# KiCad board spudglo_driver_v5p0.kicad_pcb (continued)
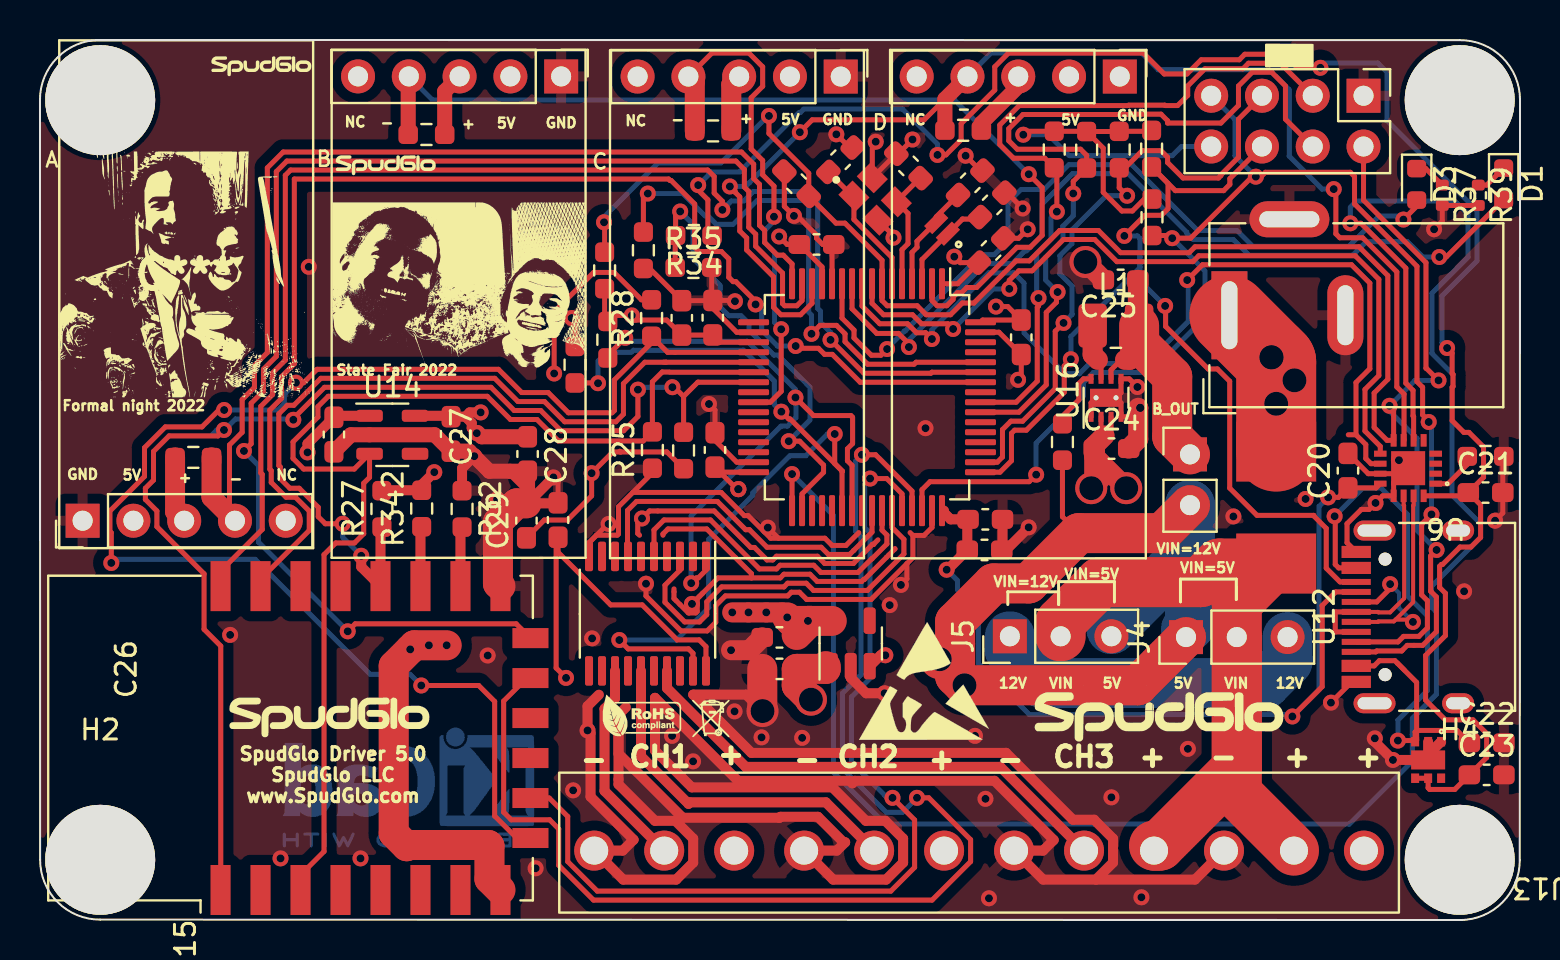
[diagram p0: board, top side]
## Routing (per net, layer and track width the routed paths; a pad name or vN(x,y) marks a point on that pad's centre or on a via; arc(x,y) is an arc through that point) (continued)
GND1: length 324.4
  Top w0.25: 27.46,18.19 27.46,18.88 ; 27.46,18.88 28.4,19.81 v2(28.44,19.81) ; 27.46,18.88 27.84,19.25 28.87,19.25 28.94,19.31 28.94,20.67 29.65,21.39 ; C4.2 48.36,36.38 v2(49.15,35.59) 49.22,35.52 ; v2(69.73,34.55) 70.14,34.96 R37.2 R39.2 ; C10.2 34.72,30.99 v2(34.76,30.95) ; C10.2 33.64,30.98 C14.2 30.49,32.59 R13.2 ; C10.2 33.65,30.6 34.85,29.4 U10.18 ; C10.2 33.6,31.05 R35.2 ; v2(48.92,27.02) 49.08,27.18 C11.2 47.97,29.4 U10.63 ; 43.66,19.24 43.52,19.38 ; 43.66,19.24 43.66,18.13 43.36,17.83 ; 43.66,19.24 44.22,19.24 44.62,19.64 U10.47 ; U10.31 34.85,22.9 33.76,23.99 C12.2 33.76,25.51 v2(33.46,25.81) ; 31.16,19.25 31.16,19.31 31.41,19.56 33.35,19.56 35.59,17.33 35.59,17.11 ; 47.14,37.49 47.04,37.49 v2(46.3,38.23) ; R17.2 26.76,29.94 v2(26.59,30.11) ; 31.71,16.56 31.71,16.08 32.43,15.36 32.8,15.36 32.87,15.44 32.87,16.07 33.15,16.35 ; 29.65,21.39 30.63,22.37 R25.1 ; 29.65,21.39 34.07,21.39 35.23,20.23 35.42,20.23 36.55,19.1 36.94,19.1 ; U12.A12 65.38,18.87 65.38,19.82 66.09,20.54 66.48,20.54 v2(66.8,20.86) 67.16,21.22 U6.13 67.71,21.88 U6.EPAD 68.16,22.33 U6.11 66.44,22.33 C20.2 ; 35.59,17.11 37.02,17.11 37.21,17.3 38.51,17.3 38.87,16.94 41.1,16.94 41.2,17.04 41.23,17.04 42.76,18.56 42.76,18.58 ; 35.59,17.11 33.91,17.11 33.15,16.35 ; U10.12 39.62,33.71 C13.2 39.15,33.79 38.84,34.1 38.84,34.26 37.88,35.22 v2(37.71,35.22) 37.23,35.7 C8.2 ; 43.36,17.83 41.57,16.04 38.35,16.04 37.99,16.4 37.58,16.4 37.4,16.21 34.28,16.21 33.8,15.73 33.8,14.89 33.37,14.46 32.06,14.46 30.31,16.21 v2(30.31,16.82) ; 43.36,17.83 43.36,17.06 v2(43.06,16.76) ; v2(39.83,39.3) 40.49,38.64 C3.2 ; v2(42.69,34.13) 42.69,34.23 U8.2 ; v2(64.57,10.87) 65.61,11.91 U12.A1 ; 40.95,19.38 40.31,18.74 39.62,18.74 39.26,19.1 36.94,19.1 ; C9.2 48.95,34.1 v2(49.4,34.55) ; v2(43.64,39.04) 42.93,38.33 C7.2 U8.4 41.63,38.76 v2(41.8,38.93) ; 41.91,19.02 41.69,18.79 41.64,18.79 ; 29.99,19.25 29.9,19.34 29.9,19.87 v2(30.11,20.09) 30.49,20.46 33.72,20.46 35.55,18.64 35.74,18.64 36.36,18.01 36.65,18.01 36.84,18.2 38.89,18.2 39.25,17.84 40.69,17.84 41.64,18.79 ; 33.15,16.35 v2(32.61,15.81) 32.55,15.75 32.49,15.75 ; 41.64,18.79 41.71,18.79 ; 36.94,19.1 v2(36.41,19.63) ; v2(55.03,25.62) 54.58,25.17 U16.4 54.07,25.87 U16.9 54.07,26.37 U16.5 54.48,27.07 v2(54.89,26.66) 54.93,26.66 ; v2(72.78,19.97) 73.17,20.36 C21.2 73.17,23.14 R10.2 ; U16.1 52.57,25.87 U16.9 ; 25.91,20.87 25.91,21.91 v2(25.68,22.14)
  Top w0.5: 52.82,2.02 53.67,2.87 53.67,4.07 52.73,5.02 51.67,5.02 48.32,8.36 35.59,8.36 32.67,11.27 35.32,11.27 v1(36.14,10.45) ; 52.82,2.02 57.77,2.02 J3.3 ; 52.82,2.02 50.17,2.02 J3.6 50.17,3.47 50.7,4 47.74,6.96 40.76,6.96 40.64,6.84 40.51,6.96 34.91,6.96 30.76,11.11 30.76,8.48 32.6,6.64 39.64,6.64 41.31,4.96 42.28,4.96 43.17,4.07 43.17,2.87 42.32,2.02 39.67,2.02 J3.9 39.86,3.47 40.27,3.89 40.19,3.89 38.91,5.16 37.04,5.16 36.99,5.11 32.15,5.11 28.94,8.32 28.94,10.27 ; v2(49.45,19.64) 48.32,18.51 C17.2 48.14,18.55 C16.2 ; v2(22.87,21.05) 24.12,21.05 C29.2 ; C29.2 24.33,21.63 23.51,22.45 ; C29.2 24.38,20.84 v2(25.68,22.14) ; C29.2 25.88,20.84 25.91,20.87 ; 28.94,10.27 28.94,6.79 30.76,4.96 31.78,4.96 32.67,4.07 32.67,2.87 31.82,2.02 29.17,2.02 J3.12 29.15,3.47 29.69,4.01 27.54,6.17 27.54,9.33 v2(27.39,9.48) 27.39,10.7 27.95,11.27 ; 28.94,10.27 29.31,10.64 ; U13.EPAD 69.43,8.91 ; U13.EPAD 69.43,8.27 70.07,8.91 70.08,8.91 ; U13.EPAD v2(67.67,8.01) 66.77,8.91 v2(66.77,9.09) ; v2(21.72,23.2) 21.11,22.59 R32.1 ; U11.2 40.55,12.12 41.32,11.34 v2(42.25,11.34)
  Top w0.75: C29.2 24.39,20.9 C28.2 22.48,22.45 v2(21.72,23.2) 21.47,23.45 C27.2 19.74,24.27 U14.2 15.55,24.27 C26.2
  Top w1: v1(52.29,32.92) 52.3,32.92 C25.2 ; C18.2 35.48,13.5 v2(34.57,13.5) ; 54.93,25.62 54.93,24.06 C24.2
  Top w1.5: C29.2 23.84,20.84 22.91,19.91 22.91,16.83 U15.15 ; C15.2 36.13,10.47 v1(36.14,10.45)
  GND.Cu w0.25: 67.93,37.87 67.89,37.92 67.89,40.16 66.47,41.57
  vias: v2(9.51,14.26) v2(12.03,3.08) v2(13.45,32.67) v2(16.03,3.08) v2(22.39,13.23) v2(24.79,2.59) v2(26.67,6.49) v2(27.62,14.09) v2(31.62,9.21) v2(32.67,7.94) v2(34.74,10.44) v2(36.09,9.14) v2(38.12,9.11) v2(42.5,15.75) v2(44.29,24.6) v2(46.77,9.21) v2(47.29,6.06) v2(47.47,1.09) v2(53.59,6.14) v2(55.09,1.14) v2(57.42,8.56) v2(59.69,20.19) v2(63.3,21.06) v2(67.97,23) v2(71.23,16.44)
VBUS: length 94.2
  Top w0.25: v2(44.89,38.27) 45.32,38.27 46.07,39.03 46.07,39.83 47.76,41.52 47.76,42.68 48.44,43.37 55.19,43.37 56.23,42.32 57.37,42.32 58.08,43.03 59.98,43.03 60.26,43.31 62.22,43.31 62.9,42.63 v2(64.04,42.63) ; v2(32.92,36.76) 32.92,36.51 33.41,36.03 33.41,34.45 R34.1 ; v2(70.38,28.61) 70.63,28.36 70.63,27.34 70.68,27.29 70.68,26.69 70.63,26.65 70.63,24.98 71.22,24.39 71.48,24.39 72.2,23.66 72.2,22.14 C21.1 ; U6.16 71.28,21.22 C21.1 ; C21.1 72.06,20.77 72.06,19.14 71.57,18.66 71.03,18.66 70.16,17.79 70.1,17.79 70.01,17.7 70.01,16.64 70.3,16.35 70.3,14.23 69.31,13.24 69.31,11 70.3,10.01 71.68,10.01 72.36,9.33 72.36,8.12 C23.1 70.77,6.53 69.51,6.53 69.43,6.61 U13.5 U13.4
  Bottom w0.25: v2(70.38,28.61) 70.13,28.87 70.13,31.22 71.88,32.97 71.88,35.49 67.38,40 67.38,42.41 66.91,42.87 64.28,42.87 v2(64.04,42.63) ; 44.89,38.25 v2(44.89,38.27) 44.89,38.82 43.14,40.57 38.21,40.57 38.03,40.39 37.97,40.39 34.99,37.42 33.58,37.42 v2(32.92,36.76)
VBUS_PRESENT: length 23
  Top w0.25: v2(37.45,23.95) 38,23.95 39.19,22.76 39.19,22.39 38.12,21.32 U10.34 ; v2(32.02,35.44) 31.79,35.21 R34.2 31.77,34.22 R35.1
  Bottom w0.25: v2(37.45,23.95) 38.51,25.01 38.51,26.65 36.9,28.26 36.7,28.26 35.47,29.49 35.47,29.82 35.07,30.23 34.46,30.23 34.02,30.67 34.02,31.74 32.66,33.1 32.66,34.8 v2(32.02,35.44)
VIN: length 48
  Top w2.5: 55.72,3.72 56.01,3.72 59.86,7.58 J4.2 ; J4.2 59.86,15.86 F1.2 58.98,17.83 58.05,16.9 53.05,16.9 51.05,14.9 J5.2 ; J4.2 59.86,6.33 J3.2
  PWR.Cu w2.5: J5.2 51.05,11.02 ; J4.2 59.86,11.09 59.61,10.84
/spudglo_v5p0_micro/BOOT0: length 27.6
  Top w0.25: R13.1 30.18,36.12 v2(30.4,36.34) ; v2(38.59,29.32) 39.01,29.74 39.84,29.74 40.27,29.32 40.27,28.93 41.4,27.8 43.72,27.8 43.82,27.9 U10.60
  Bottom w0.25: v2(30.4,36.34) 32.15,36.34 33.27,35.22 33.41,35.22 33.83,34.8 34.67,34.8 35.86,35.99 38.36,35.99 38.45,35.9 38.45,30.4 38.59,30.26 v2(38.59,29.32)
/spudglo_v5p0_micro/GREEN_LED: length 43.2
  Top w0.25: v2(69.99,33.17) 70.34,33.17 D1.2 ; 43.46,28.49 v2(43.46,28.66) 43.46,28.68 43.53,28.75 42.94,29.34 41.85,29.34 40.62,30.58 U10.10
  Bottom w0.25: v2(43.46,28.66) 43.46,29.01 47.28,32.83 48.62,32.83 49.26,33.47 49.35,33.47 50.13,34.25 50.13,35.81 51.65,37.34 54.43,37.34 57.36,34.41 57.36,34.36 57.68,34.04 59.69,34.04 60.47,33.25 65.66,33.25 66.34,33.93 68.4,33.93 69.17,33.17 v2(69.99,33.17)
/spudglo_v5p0_micro/JTDI: length 31
  Top w0.25: U10.50 47.88,22.9 48.14,23.16 48.14,24.53 48.56,24.95 49.15,24.95 50.78,26.58 50.78,29.45 v2(51.2,29.87) 51.21,29.88 ; v2(54.38,36.23) 53.98,36.63 R20.2 54.27,37.63 55.13,38.48 56.07,38.48 56.4,38.16 56.4,37.89 57.17,37.12 58.95,37.12 59.07,37.24 59.07,37.27 59.95,38.15 59.95,40.06 J1.5
  Bottom w0.25: v2(54.38,36.23) 53.32,36.23 51.61,34.52 51.61,33.83 51.01,33.23 51.01,32.33 51.62,31.71 51.62,30.29 v2(51.2,29.87)
/spudglo_v5p0_micro/JTDO: length 41.4
  Top w0.25: U10.55 48.96,25.4 50.33,26.77 50.33,30.39 50.84,30.9 50.84,31.36 v2(50.9,31.41) ; v2(51.68,36.34) 51.68,36.95 R21.2 52.35,38.25 52.05,38.56 48.88,38.56 48.46,38.98 48.46,39.58 49.17,40.29 54.62,40.29 54.64,40.31 56.07,40.31 56.4,39.98 56.4,39.87 59.07,39.87 59.95,40.75 59.95,41.72 60.63,42.41 61.61,42.41 62.3,41.72 62.3,40.06 J1.4
  Bottom w0.25: v2(50.9,31.41) 50.3,32.01 50.3,33.15 51.16,34.01 51.16,34.71 51.68,35.23 v2(51.68,36.34) 51.63,36.39 51.63,36.4
/spudglo_v5p0_micro/LVL_DIR: length 32.8
  Top w0.25: v2(37.79,26.14) 38.69,25.23 40.56,25.23 40.65,25.15 40.65,23.83 40.39,23.57 40.39,22.97 40.62,22.74 U10.39 ; v2(29.27,29.12) 28.4,28.25 R14.2 ; v2(32.57,16.85) 32.83,17.11 32.93,17.11 33.31,17.5 33.31,18.19
  Bottom w0.25: v2(32.57,16.85) 32.57,20.22 37.06,24.7 37.38,24.7 37.81,25.13 37.81,26.12 v2(37.79,26.14) 37.79,26.54 35.38,28.95 29.44,28.95 v2(29.27,29.12)
/spudglo_v5p0_micro/LVL_EN: length 43.9
  Top w0.25: 40.14,22.45 40.12,22.43 U10.38 ; 40.14,22.45 37.52,25.06 37.45,25.06 v2(37.08,25.43) ; 40.14,22.45 39.75,22.83 v2(39.75,24.31) ; R17.1 27.9,26.87 v2(27.91,26.85) ; v2(28.98,14.01) 29.42,13.56 32.44,13.56 32.66,13.34 U9.19
  Bottom w0.25: v2(27.91,26.85) 27.91,27.96 28.35,28.4 29.57,28.4 29.68,28.5 35.19,28.5 36.73,26.96 36.73,25.78 v2(37.08,25.43) ; v2(39.75,24.31) 39.39,24.31 38.31,23.23 37.51,23.23 35.66,21.37 35.66,21.25 33.45,19.05 33.45,15.63 31.83,14.01 v2(28.98,14.01)
/spudglo_v5p0_micro/NJTRST: length 36.6
  Top w0.25: J1.3 62.04,42.86 60.45,42.86 60.17,42.58 58.27,42.58 57.41,41.72 57.41,41.25 56.9,40.74 56.28,40.74 56.26,40.76 54.45,40.76 54.44,40.74 48.98,40.74 48.01,39.77 48.01,38.8 48.7,38.11 50.26,38.11 50.73,37.63 R22.2 50.86,37.5 v2(50.86,35.43) ; v2(49.95,31.11) 49.95,30.72 49.88,30.65 49.88,26.96 48.83,25.9 U10.56
  Bottom w0.25: v2(49.95,31.11) 49.85,31.21 49.85,33.34 50.58,34.07 50.58,35.15 v2(50.86,35.43)
/spudglo_v5p0_micro/OSC32K_HI: length 5
  Top w0.25: 47.02,35.16 46.92,35.06 46.14,35.06 U7.1 44.12,33.04 U10.3
/spudglo_v5p0_micro/OSC32K_LO: length 5.4
  Top w0.25: C5.1 44.83,35.17 U7.2 43.87,33.95 43.87,33.65 43.62,33.4 U10.4
/spudglo_v5p0_micro/OSC48_HI: length 6.2
  Top w0.25: C7.1 44.02,37.11 U8.3 43.42,35.35 43.42,33.83 43.12,33.53 U10.5
/spudglo_v5p0_micro/OSC48_LO: length 7
  Top w0.25: C3.1 40.64,36.21 U8.1 40.71,35.05 42.62,33.14 U10.6
/spudglo_v5p0_micro/RED_LED: length 39.6
  Top w0.25: U10.11 40.12,30.11 40.72,29.51 40.72,29.12 41.58,28.25 42.06,28.25 v2(42.37,28.56) 42.39,28.54 ; D3.2 68.86,35.7 v2(68.2,35.04)
  Bottom w0.25: v2(68.2,35.04) 68.01,35.22 66.99,35.22 65.47,33.7 60.66,33.7 59.88,34.49 57.91,34.49 54.61,37.79 51.47,37.79 50.22,36.54 49.08,36.54 48.43,35.89 48.43,34.09 48.48,34.03 47.73,33.28 47.09,33.28 43.28,29.46 43.24,29.46 42.37,28.6 v2(42.37,28.56)
ESP8266_3V3: length 49.2
  Top w0.25: v2(25.72,27.34) 25.72,30.42 27.69,32.39 28.71,32.39 30.08,31.02 R28.2 ; 29.04,23.41 28.65,23.41 v2(27.59,22.35) 27.59,21.22 26.38,20.01 25.22,20.01 C29.1 ; 29.04,23.41 29,23.45 ; 29.04,23.41 31.36,23.41 R26.2
  Top w0.5: v2(21.85,24.35) 21.6,24.61 21.6,24.86 21.28,25.18 ; U14.5 20.52,25.22 C27.1 21.28,25.18 ; 21.28,25.18 21.49,25.39 v2(22.04,25.39) ; v2(19.72,22.4) 19.09,21.77 R342.2 17.12,21.5 R27.2
  Top w0.75: 21.88,24.39 22.09,24.17 C28.1
  Top w1.5: v2(20.34,13.74) 18.72,13.74 v2(18.52,13.54) 17.69,12.71 17.69,4.34 18.34,3.69 18.4,3.75 22.43,3.75 22.48,3.7 22.48,2.05 U15.8
  vias: v2(19.45,13.74)
ESP8266_CSN: length 72.9
  Top w0.25: v2(3.57,17.86) 3.57,19.37 3.5,19.44 3.5,20.46 5.23,22.19 5.23,23.62 6.27,24.67 8.1,24.67 8.95,25.51 v2(9.21,25.51) ; v2(12.8,26.88) 13.19,26.88 13.86,27.55 22.93,27.55 24.09,26.39 25.42,26.39 26.43,25.37 28.62,25.37 28.73,25.49 28.73,27.02 30.59,28.88 R28.1 31.4,28.39 35.68,28.39 U10.20 ; v2(19.07,11.73) 21.94,11.73 22.74,10.93 22.74,5.21 23.85,4.1 U15.9
  Bottom w0.25: v2(12.8,26.88) 12.22,26.3 12.22,25.82 11.91,25.51 v2(9.21,25.51) ; v2(3.57,17.86) 3.75,18.04 10.77,18.04 16.52,12.29 18.51,12.29 v2(19.07,11.73)
ESP8266_EN: length 57
  Top w0.25: 31.46,27.41 31.12,27.41 30.63,26.92 R25.2 30.17,23.96 25.93,23.96 24.86,25.04 23.53,25.04 22.37,26.2 14.42,26.2 13.9,25.68 13.9,25.16 12.66,23.92 12.66,23.09 13.19,22.56 15.72,22.56 U14.3 16.48,22.14 16.19,21.85 16.19,19.32 15.73,18.86 14.79,18.86 14.21,18.28 14.21,3.43 13.03,2.25 U15.3 ; 31.51,27.4 U10.22
ESP8266_GPIO0: length 42.1
  Top w0.25: v2(15.14,19.82) 14.27,19.82 13.92,20.17 13.92,20.65 12.97,21.6 12.5,21.6 12.02,22.08 12.02,22.66 11.95,22.73 11.95,25.32 12.37,25.75 12.7,25.75 14.05,27.1 22.75,27.1 23.91,25.94 25.23,25.94 26.25,24.92 28.8,24.92 29.18,25.3 29.18,26.83 30.25,27.9 31.31,27.9 ; U10.21 31.31,27.9 ; 31.31,27.9 31.19,27.9
  Top w0.5: v2(16.07,18.22) 16.07,17.67 U15.18 17.03,19.58 R27.1
  Bottom w0.25: v2(16.07,18.22) 15.14,19.15 v2(15.14,19.82)
ESP8266_MISO: length 47.3
  Top w0.25: 41.45,22.08 v2(41.52,22.08) 42.35,22.08 43.12,21.32 U10.44 ; v2(42.64,6.11) 43.75,5.01 43.75,2.63 42.56,1.45 27.87,1.45 26.4,2.92 26.4,5.18 25.47,6.1 U15.10
  Bottom w0.25: v2(42.64,6.11) 42.37,6.11 40.59,7.9 40.59,11.16 41.52,12.09 41.52,19.36 41.25,19.63 41.25,21.81 v2(41.52,22.08)
ESP8266_MOSI: length 64.6
  Top w0.25: U10.45 43.62,21.45 41.8,23.27 v2(41.11,23.27) ; U15.13 24.34,12.1 23.19,10.95 23.19,5.39 23.57,5.01 25.49,5.01 25.95,4.56 25.95,2.74 27.69,1 44.62,1 46.55,2.92 46.55,4.02 44.46,6.11 v2(43.87,6.11)
  Bottom w0.25: v2(41.11,23.27) 40.8,22.96 40.8,19.45 41.07,19.17 41.07,12.28 40.14,11.34 40.14,7.58 42.33,5.39 43.14,5.39 v2(43.87,6.11)
ESP8266_RST: length 60.6
  Top w0.25: v2(9.2,24.51) 8.91,24.22 6.46,24.22 5.68,23.44 5.68,22 5.27,21.6 5.27,21.04 5.85,20.46 5.85,19.68 8.21,17.32 8.21,14.54 9.04,13.71 9.04,1.51 U15.1 ; v2(31.63,26.65) 31.73,26.65 32.19,26.19 ; 32.19,26.19 32.9,26.9 U10.23 ; 32.19,26.19 R26.1 ; v2(12.67,25.02) 12.67,25.09 14.23,26.65 22.56,26.65 23.72,25.49 25.05,25.49 26.06,24.47 29.19,24.47 29.91,25.19 v2(29.91,26.53)
  Bottom w0.25: v2(31.63,26.65) 30.03,26.65 v2(29.91,26.53) ; v2(12.67,25.02) 12.63,25.06 9.79,25.06 9.24,24.51 v2(9.2,24.51) 8.84,24.51 8.61,24.28
ESP8266_RXD: length 64.1
  Top w0.25: v2(35.79,30.79) 35.79,30.95 34.81,31.93 34.67,31.93 34.45,32.15 34.45,33.07 34.08,33.44 32.96,33.44 32.75,33.66 32.75,35.82 31.57,36.99 31.52,36.99 31.44,37.06 12.72,37.06 12.72,27.82 12.08,27.18 12.08,26.58 12.09,26.57 12.09,26.1 11.5,25.51 11.5,22.55 11.57,22.48 11.57,21.89 12.31,21.15 12.78,21.15 13.47,20.46 13.47,19.49 11.03,17.05 U15.21 ; U10.58 41.02,26.9 39.63,28.29 39.24,28.29 38.94,28.6 37.91,28.6 v2(37.8,28.71)
  Bottom w0.25: v2(37.8,28.71) 36.89,28.71 36.1,29.5 36.1,30.48 v2(35.79,30.79) 35.74,30.84 35.74,30.85
ESP8266_SCK: length 68.8
  Top w0.25: v2(15.39,14.44) 15.77,14.82 23.82,14.82 U15.14 ; U10.15 38.12,30.99 37.86,30.73 37.25,30.73 37.14,30.83 37.14,32.36 35.8,33.71 35.8,34.31 35.45,34.65 35.45,36.44 35.23,36.66 35.23,37.54 34.81,37.96 12.35,37.96 11.82,37.44 11.82,28.19 11.18,27.55 11.18,26.46 10.56,25.85 10.56,23.82 v2(10.2,23.46) 10.2,23.43 10.11,23.34
  Bottom w0.25: v2(15.39,14.44) 10.93,18.91 10.93,22.74 v2(10.2,23.46)
ESP8266_TXD: length 66.3
  Top w0.25: v2(39.54,29.02) 41.21,27.35 44.56,27.35 44.61,27.4 U10.59 ; U15.22 9.03,17.45 11.12,19.54 11.12,22.29 11.05,22.36 11.05,25.7 11.64,26.29 11.64,26.38 11.63,26.39 11.63,27.36 12.27,28.01 12.27,37.25 12.53,37.51 33.4,37.51 33.72,37.19 33.72,36.36 34.13,35.95 v2(34.13,35.52)
  Bottom w0.25: v2(39.54,29.02) 39.54,29.4 39.04,29.9 39.04,30.45 38.9,30.59 38.9,36.09 38.55,36.44 35.68,36.44 35.21,35.97 34.58,35.97 v2(34.13,35.52)
NRST: length 97
  Top w0.25: 66.47,39.03 66.3,39.03 66.35,38.98 ; v2(69.86,18.51) 69.56,18.21 69.56,16.45 69.85,16.16 69.85,15.71 ; v2(36.46,40.22) 36.46,39.34 38.45,37.35 C8.1 39.82,34.86 40.26,34.86 42.12,33 U10.7 42.12,30.99 42.38,30.73 43.88,30.73 44.33,30.28 45.54,30.28 46.13,30.86 46.71,30.86 48.82,32.97 49.48,32.97 51,34.49 52.94,34.49 54.05,33.38 57.48,33.38 57.77,33.68 65.97,33.68 67.42,32.23 67.42,27.05 66.73,26.36 66.73,24.64 67.38,23.99 U6.8 67.71,25.52 v2(67.5,25.72) ; 69.85,15.71 69.85,15.89 ; 69.85,15.71 69.85,14.43 69.16,13.74 68.39,13.74 68.11,13.46 66.86,13.46 66.81,13.41 U12.B8 ; R15.2 28.24,34.87 v2(28.21,34.9) ; J1.2 66.2,36.01 69.32,32.89 69.32,27.6 69.34,27.6 v2(69.95,26.99)
  Bottom w0.25: v2(28.21,34.9) 28.21,35.18 30.91,37.87 34.06,37.87 36.41,40.22 v2(36.46,40.22) ; v2(69.95,26.99) 68.77,26.99 v2(67.5,25.72) 67.5,25.46 68.88,24.09 68.88,19.49 v2(69.86,18.51)
SWCLK: length 52.4
  Top w0.25: U12.B5 65.03,16.91 64.34,17.6 64.34,19.59 63.71,20.22 63.71,20.24 60.87,20.24 59.51,21.61 59.51,26.95 58.89,27.56 58.43,27.56 56.3,29.69 56.3,30.69 v2(56.28,30.72) ; 61.16,39.1 61.33,39.1 61.39,39.03 ; v2(54.24,34.22) 55.27,35.25 56.09,35.25 56.42,35.58 56.42,36.85 R19.2 56.79,36.48 59.2,36.48 59.52,36.8 59.52,37.09 J1.6 ; v2(51.56,28.05) 51.23,27.72 51.23,26.4 49.34,24.5 48.75,24.5 48.59,24.35 48.59,22.98 48.02,22.4 U10.49
  Bottom w0.25: v2(51.56,28.05) 51.56,29.18 55.02,32.64 55.02,33.17 ; 55.02,33.17 55.02,31.98 v2(56.28,30.72) ; 55.02,33.17 55.02,34.1 54.89,34.22 v2(54.24,34.22)
SWDIO: length 69.8
  Top w0.25: U10.46 44.12,21.53 44.52,21.93 49.48,21.93 v2(49.83,22.28) 49.84,22.26 ; R18.2 56.5,34.24 v2(56.63,34.11) 57.56,34.11 60.63,37.18 v2(60.81,37.18) 61.07,37.18 61.29,37.4 65.54,37.4 65.75,37.19 65.75,35.82 68.87,32.7 68.87,26.93 69.16,26.65 69.16,25.27 69.46,24.96 v2(69.46,24.91) ; U12.A5 67.93,13.91 68.2,14.19 68.97,14.19 69.4,14.61 69.4,15.97 69.11,16.26 69.11,19.8 v2(69.6,20.29)
  Bottom w0.25: 69.4,24.97 v2(69.46,24.91) 69.6,24.77 v2(69.6,20.29) ; v2(56.63,34.11) 58.27,32.47 58.27,30.14 55.52,27.39 52.69,27.39 52.2,26.9 52.2,26.23 49.83,23.86 v2(49.83,22.28) ; v2(60.81,37.18) 59.77,38.23 59.77,40.04 J1.7
TIM1_CH1: length 17.4
  Top w0.25: 40.71,18.5 40.5,18.29 39.43,18.29 39.07,18.65 36.36,18.65 35.49,19.52 35.3,19.52 33.88,20.94 29.84,20.94 29.39,20.49 29.39,18.21 29.41,18.19 ; 40.71,18.5 41.62,19.4 U10.41 ; 40.71,18.5 40.69,18.48
TIM1_CH1_SHIFT: length 10.4
  Top w0.5: U9.13 28.76,11.09 28.24,10.56 28.24,6.46 J3.11
TIM1_CH2: length 16.8
  Top w0.25: 30.71,18.19 30.71,19.51 31.21,20.01 33.54,20.01 35.99,17.56 36.84,17.56 37.02,17.75 38.7,17.75 39.06,17.39 40.91,17.39 41.59,18.06 41.61,18.06 42.36,18.81 42.36,19.26 42.12,19.5 U10.42
TIM1_CH2_SHIFT: length 18
  Top w0.5: J3.8 39.31,5.89 32.51,5.89 32.44,5.81 30.06,8.19 U9.15
TIM1_CH3: length 19.5
  Top w0.25: 32.01,18.19 32.01,17.5 31.26,16.75 31.26,15.9 32.24,14.91 32.99,14.91 33.35,15.28 33.35,15.92 34.1,16.66 37.21,16.66 37.4,16.85 38.33,16.85 38.69,16.49 41.39,16.49 43.21,18.31 43.21,19.04 42.62,19.64 U10.43
TIM1_CH3_SHIFT: length 25.1
  Top w0.5: U9.17 31.36,11.6 35.3,7.66 48.03,7.66 J3.5
USBD+: length 14.1
  Top w0.2: v2(68.67,14.91) 68.56,15.03 67.81,15.03 ; 67.81,15.03 67.72,14.94 66.95,14.94 66.92,14.91 U12.A6 ; 67.81,15.03 68.68,15.9 68.68,20.73 68.71,20.75 U6.15
  Top w0.25: v2(67.53,16.8) 67.53,16.58 66.86,15.91 U12.B6
  Bottom w0.2: v2(67.53,16.8) 67.98,16.36 67.98,15.61 v2(68.67,14.91)
USBD-: length 10.9
  Top w0.2: U6.14 68.21,20.75 68.23,20.73 68.23,16.09 67.53,15.39 66.95,15.39 66.92,15.41 U12.A7
  Top w0.25: U12.B7 64.81,14.41 64.79,14.44 64.79,15.39 64.81,15.41 U12.A7
WKUP1: length 65.8
  Top w0.25: v2(38.01,39.41) 38.63,40.03 44.23,40.03 U3.4 ; v2(64.71,36.56) 64.82,36.46 64.82,34.33 65.02,34.13 66.16,34.13 67.87,32.42 67.87,26.67 68.23,26.31 68.23,24.01 U6.7 ; v2(34.51,36.69) 34.78,36.42 34.78,36.39 35,36.17 35,34.46 35.35,34.12 35.35,33.52 36.69,32.17 36.69,30.65 37.06,30.28 38.04,30.28 38.62,30.85 U10.14
  Top w0.75: U3.4 45.26,41.06 R3.2
  Bottom w0.25: v2(64.71,36.56) 64.13,36.56 62.49,38.21 62.49,41.54 61.49,42.53 55.93,42.53 55.1,43.37 47.57,43.37 U3.4 ; v2(38.01,39.41) 35.49,36.89 35.29,36.69 v2(34.51,36.69)
WKUP2: length 47.5
  Top w0.25: U10.2 44.62,30.99 44.88,30.73 45.36,30.73 45.67,31.04 45.67,31.16 45.89,31.38 46.09,31.38 46.36,31.64 46.85,31.64 48.86,33.65 49.53,33.65 50.13,34.25 50.13,36.64 v2(49.46,37.31) 49.31,37.45
  Top w0.75: R5.2 18.42,42.17 U5.4
  Bottom w0.25: v2(49.46,37.31) 45.75,41.02 19.63,41.02 U5.4
WKUP3: length 26.5
  Top w0.25: U4.4 33.61,43.37 35.46,43.37 36.15,42.68 36.15,41.71 35.57,41.13 35.57,38.57 36.15,37.99 36.15,37.28 36.71,36.71 v2(36.71,35.18) ; v2(37.07,29.55) 37.07,26.44 36.53,25.9 U10.25
  Top w1: U4.4 32.75,41.87 R4.2
  Bottom w0.25: v2(37.07,29.55) 36.74,29.88 36.74,33.4 36.25,33.89 36.25,34.49 36.67,34.92 36.71,34.92 v2(36.71,35.18)
WKUP4: length 54.1
  Top w0.25: U1.4 9.48,20.25 9.48,23.76 10.11,24.4 10.11,26.03 10.73,26.65 10.73,27.74 11.37,28.38 11.37,37.62 12.16,38.41 35.09,38.41 35.7,37.81 35.7,37.09 35.99,36.8 35.99,34.75 36.25,34.49 36.25,33.89 36.88,33.26 37.18,33.26 37.62,32.82 U10.16
  Top w1: R1.2 8.58,21.14 U1.4
XR_GPIO: length 99.4
  Top w0.25: U10.33 v2(37.62,22.31) 37.67,22.36 ; U6.6 68.71,25.18 68.68,25.21 68.68,26.49 68.32,26.85 68.32,32.61 66.07,34.85 v2(65.54,34.85)
  Bottom w0.25: v2(37.62,22.31) 39.69,20.24 39.69,7.39 42.28,4.8 65.49,4.8 68.64,7.95 68.64,9.28 68.64,9.28 68.64,10.09 69.85,11.29 69.85,15.4 69.6,15.65 69.6,16.69 71.57,18.66 71.57,18.66 72.06,19.14 72.06,19.82 70.63,21.25 70.63,26.65 70.68,26.69 70.68,27.29 69.62,28.35 69.62,31.35 71.43,33.16 71.43,35.31 70.78,35.96 65.85,35.96 65.54,35.65 v2(65.54,34.85)
XR_RX: length 46.8
  Top w0.25: U6.10 66.57,22.83 66.32,23.09 66.32,23.78 65.83,24.27 ; v2(57.38,32.01) 58.15,32.78 65.6,32.78 66.52,31.86 66.52,27.58 65.83,26.89 65.83,24.27 ; 65.83,24.27 65.44,24.27 ; U10.9 41.12,30.71 42,29.83 43.39,29.83 43.84,29.38 44.3,29.38 v2(44.61,29.06)
  Bottom w0.25: v2(44.61,29.06) 44.61,29.53 47.46,32.37 48.71,32.37 49.22,31.86 49.22,29.37 51.26,27.33 51.99,27.33 52.51,27.84 55.33,27.84 57.43,29.94 57.43,31.96 v2(57.38,32.01)
XR_TX: length 39.4
  Top w0.25: v2(48.48,31.57) 48.48,32 48.96,32.47 49.62,32.47 51.19,34.04 52.76,34.04 53.87,32.93 57.66,32.93 57.96,33.23 65.79,33.23 66.97,32.05 66.97,27.23 66.28,26.54 66.28,24.46 67.04,23.69 U6.9 ; U10.8 41.62,30.85 42.19,30.28 43.64,30.28 44.09,29.83 45.41,29.83 v2(45.67,29.56)
  Bottom w0.25: v2(48.48,31.57) 47.68,31.57 v2(45.67,29.56)
Net-(D1-K): length 1.6
  Top w0.25: D1.1 72.36,36.76 R39.1
Net-(D3-K): length 1.6
  Top w0.25: D3.1 69.32,37.59 R37.1
Net-(F1-Pad1): length 7.8
  Top w4: F1.1 61.83,27.91 v1(61.6,28.15) J2.1
  vias: v1(61.83,25.82) v1(62.75,27)
Net-(J6-Pin_1): length 13.3
  Top w0.25: U16.6 53.57,27.52 54.08,28.02 54.27,28.02
  Top w1: 54.27,28.02 54.51,28.02 54.98,28.49 L1.2 54.91,29.79 C25.1
  Top w2: L1.2 54.98,28.84 56.63,27.19 56.63,24.18 J6.1
Net-(U1-OUT+): length 3.4
  Top w1: U1.3 6.76,20.43 R1.1
Net-(U3-OUT+): length 3.5
  Top w0.75: U3.3 48.93,41.7 47.09,39.86 R3.1
Net-(U4-OUT+): length 2.9
  Top w1: U4.3 34.58,41.8 R4.1
Net-(U5-OUT+): length 3.2
  Top w0.75: U5.3 20.24,41.45 R5.1
Net-(U6-LOWPOWER): length 2.4
  Top w0.25: U6.1 70.43,21.83 71.39,22.79 R10.1
Net-(U12-VBUS1): length 32.1
  Top w0.25: 67.89,12.85 68.86,11.89 68.86,9 U13.3 ; 67.89,12.85 68.24,12.5 ; 67.89,12.85 67.77,12.97 66.99,12.97 66.73,12.71 U12.A4 ; U13.3 68.78,9.41 68.86,9.48 70.88,9.48 C22.1 ; U13.3 68.73,8.98 v2(67.92,8.98) ; v2(64.76,20.2) 64.79,20.17 64.79,17.79 64.96,17.61 U12.A9
  Bottom w0.25: v2(64.76,20.2) 66.16,21.6 67.09,21.6 68.4,20.29 68.4,16.21 69.4,15.22 69.4,11.48 67.92,10 v2(67.92,8.98)
Net-(U15-GPIO2): length 3
  Top w0.5: U15.17 19.03,19.61 R342.1
Net-(U15-GPIO15): length 3
  Top w0.5: U15.16 21.03,19.57 R32.2
Net-(U16-SW): length 2.8
  Top w0.25: U16.7 53.07,28.02
  Top w1: 52.91,28.02 52.65,28.28 L1.1

## Copper pours and planes (outline as drawn; the poured copper is in the pictures)
+3V3 on PWR.Cu: 49.54,39.34 29.22,39.34 29.34,14.32 45.85,14.32 45.85,17.62 48.39,17.62 48.39,20.16 49.66,20.16
+5V on PWR.Cu: -1.14,46.83 56.01,46.83 56.01,40.48 -1.14,40.48
+5V on PWR.Cu: 46,8.8 46,13.69 26.8,13.56 26.8,8.73
+5V on PWR.Cu: 1.4,23.97 15.37,23.97 15.37,12.54 26.8,12.54 26.8,8.73 9.02,8.73 9.02,17.62 6.48,17.62 0.41,17.22
+5V on PWR.Cu: 6.48,17.62 -1.14,17.62 -1.14,40.48 6.48,40.48
GND1 on Top: -2.41,49.37 -2.41,-3.97 83.95,-3.97 83.95,49.37
GND1 on Bottom: -2.41,49.37 -2.41,-3.97 83.95,-3.97 83.95,49.37
GND1 on GND.Cu: 76.35,-2.63 76.87,46.2 -4.26,46.97 -3.87,-0.71 76.33,-2.61
VIN on PWR.Cu: 67.44,1.11 25.53,1.11 25.53,7.46 67.44,7.46
VIN on PWR.Cu: 47.12,7.46 47.12,15.46 68.71,15.46 68.71,7.46
ESP8266_3V3 on PWR.Cu: 17.02,27.66 16.9,13.05 27.97,13.01 28.1,27.62
Net-(F1-Pad1) on Top: 59.94,26.57 58.02,26.66 58.15,33.83 60.63,33.64 60.42,26.69
Net-(F1-Pad1) on PWR.Cu: 55.76,35.28 64.9,35.28 64.9,20.16 55.76,20.16

## Text on the board
B.Silkscreen: COVID-19 2022 | Duluth 2022 | GND | 5V | + | - | CH1 | VIN | CH2 | 12V | CH3 | B_OUT | IN+ | SpudGlo Driver 5.0 / SpudGlo LLC / www.SpudGlo.com | 09/16/2023 / Spencer Wright / Claire Drucker
User.Comments: Approximate box dimensions / 75 mm x 45 mm / Hole measurements / 68 mm x 38 mm / 4 mm diameter
F.Silkscreen: Formal night 2022 | State Fair 2022 | GND | 5V | + | NC | - | 12V | VIN=12V | VIN | VIN=5V | B_OUT | SpudGlo Driver 5.0 / SpudGlo LLC / www.SpudGlo.com | A | B | C | D | CH1 | CH2 | CH3
